# KiCad board motherboard.kicad_pcb
title: anyon e motherboard; date: 2024-10-23; rev: V1.0; company: Byran Huang; note: UNITS: MM, 1.0/0.1/0.01 grid size
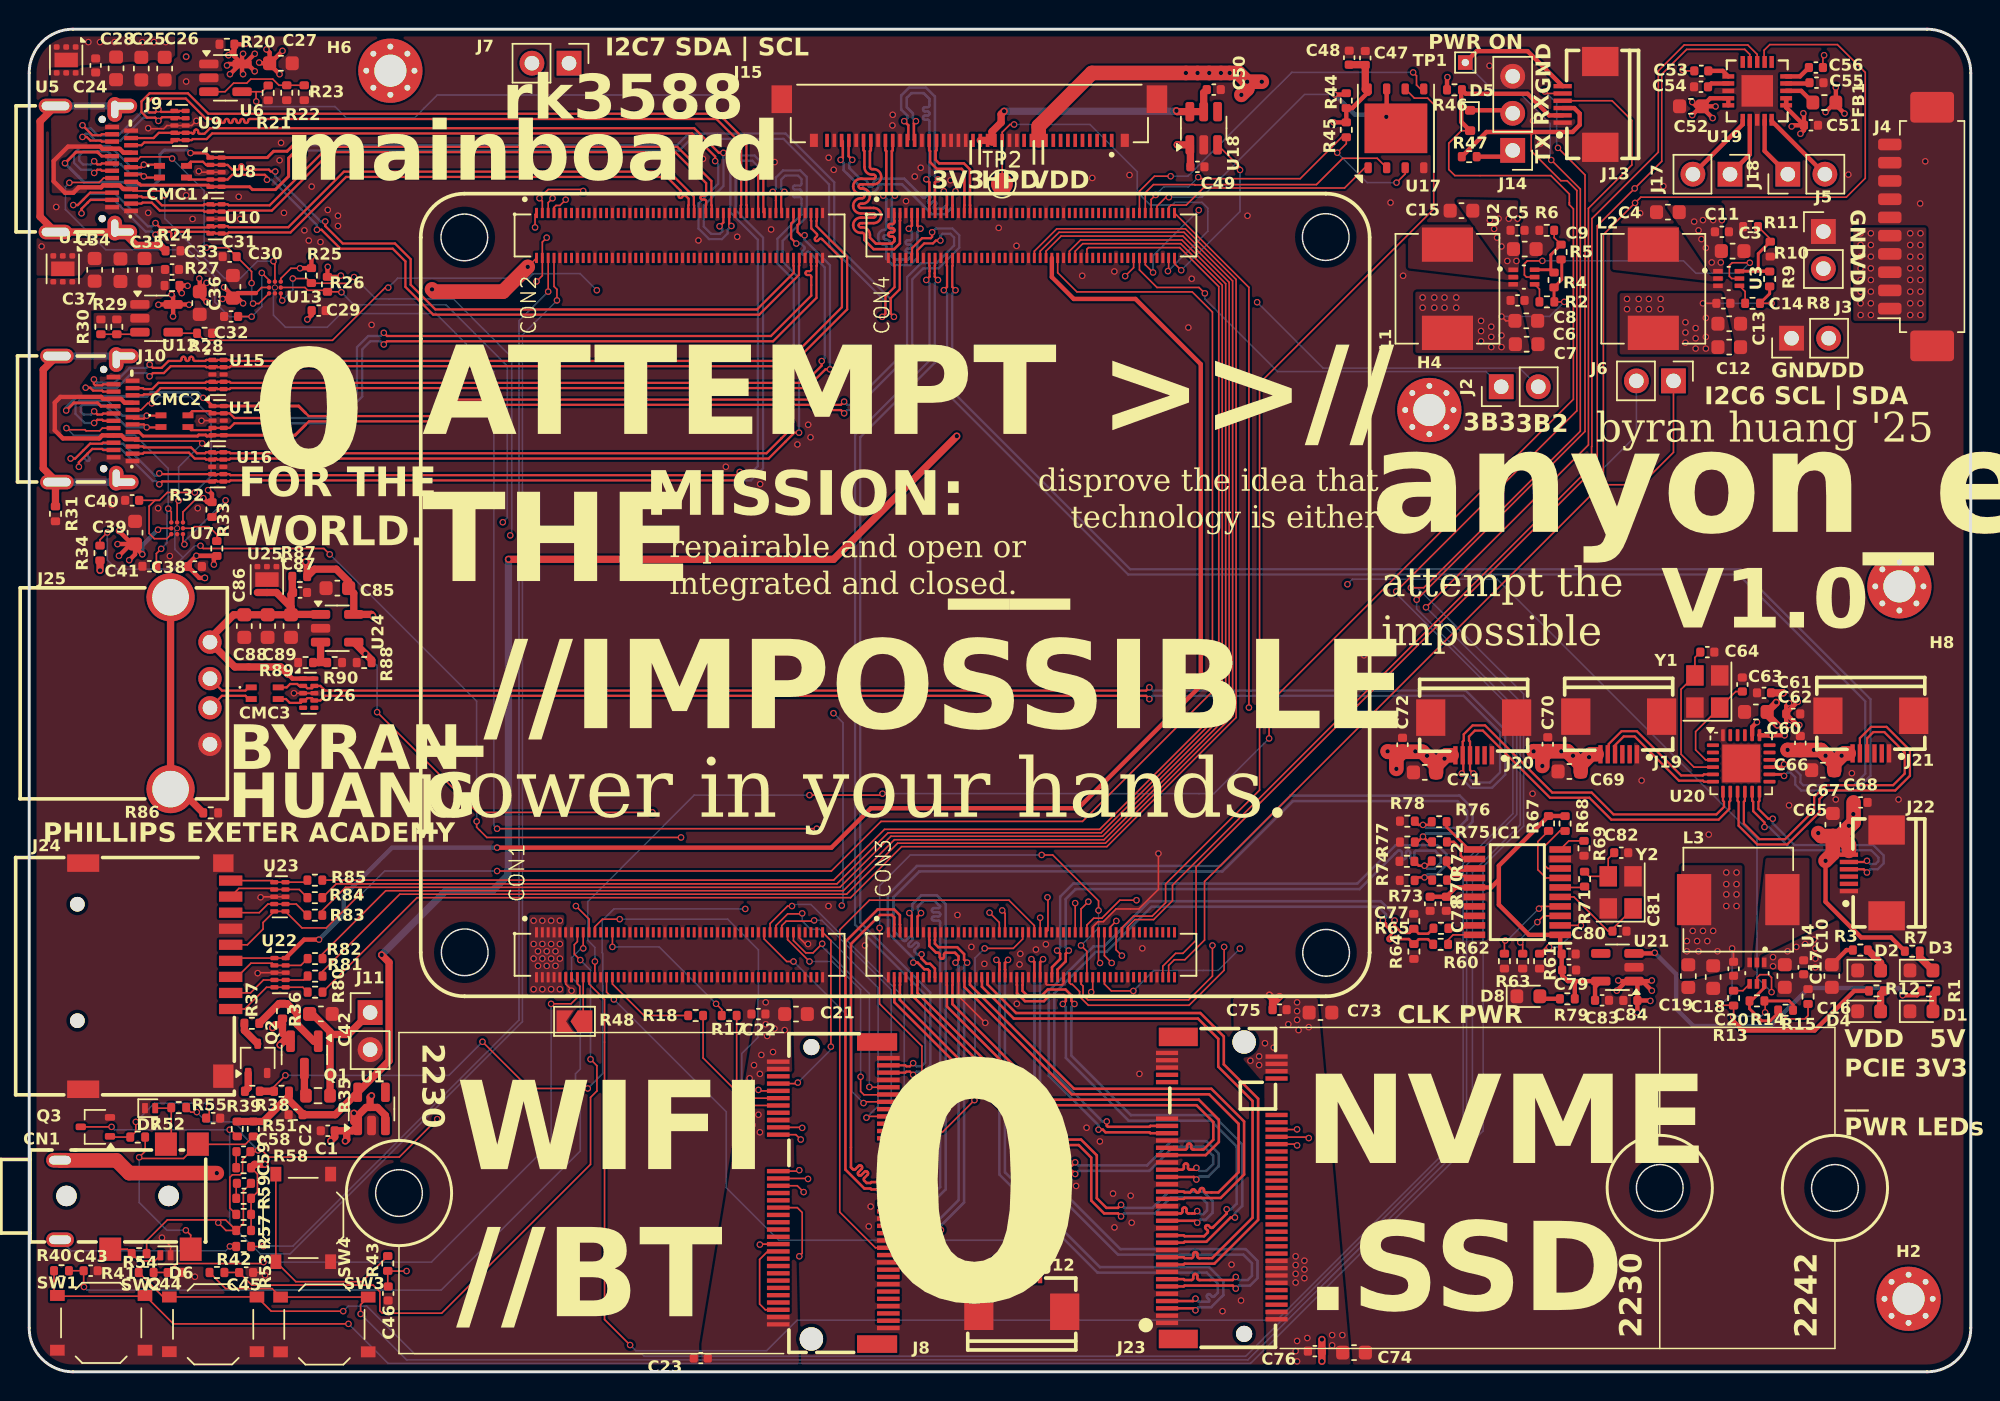
[diagram p0: board, top side]
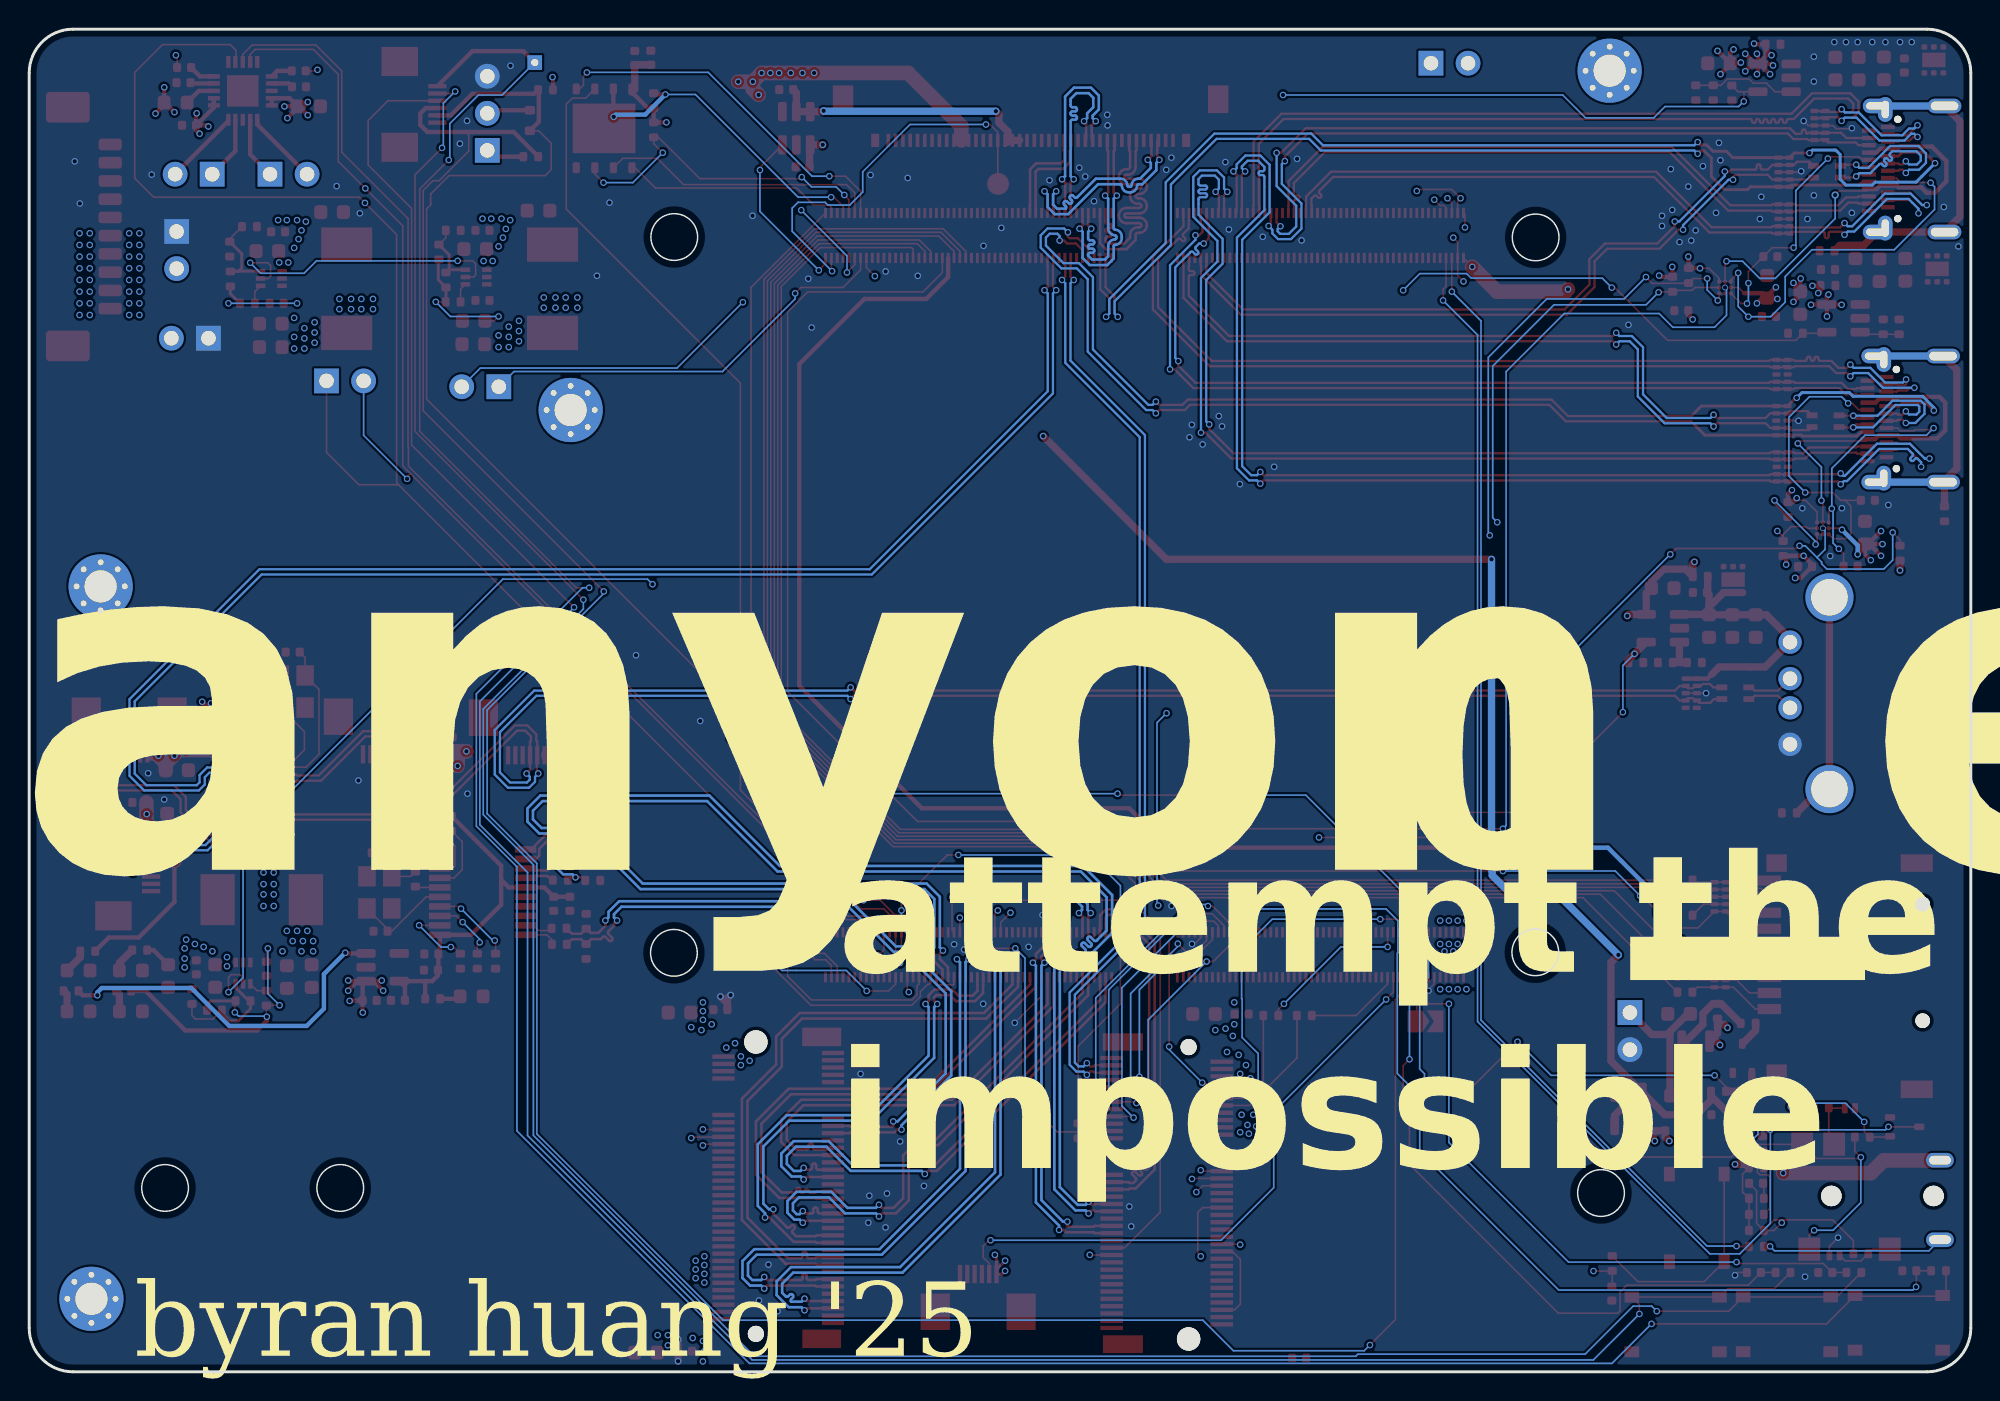
[diagram p1: board, bottom side, seen from below]

Outline 133 x 92 mm; copper layers: Top, In1.Cu, In2.Cu, In3.Cu, In4.Cu, Bottom. Coordinates in mm from the lower left corner of the outline.
Outline path: 0,89 arc(0.88,91.12) 3,92 130,92 arc(132.12,91.12) 133,89 133,3 arc(132.12,0.88) 130,0 3,0 arc(0.88,0.88) 0,3 0,89
Stack: Top 0.035mm / dielectric 0.1mm FR4 er 4.5 / In1.Cu 0.035mm / dielectric 0.535mm FR4 er 4.5 / In2.Cu 0.035mm / dielectric 0.1mm FR4 er 4.5 / In3.Cu 0.035mm / dielectric 0.535mm FR4 er 4.5 / In4.Cu 0.035mm / dielectric 0.1mm FR4 er 4.5 / Bottom 0.035mm

## Placement (name value [footprint] x y rotation side)
C1  1uF  [C_0402_1005Metric]  20.45 16.52 180 top
C2  1uF  [C_0402_1005Metric]  18.25 17.62 180 top
C3  10uF  [C_0603_1608Metric]  116.69 76.8 0 top
C4  10uF  [C_0603_1608Metric]  112.25 79.47 180 top
C5  100nF  [C_0402_1005Metric]  101.95 78.22 0 top
C6  22uF  [C_0603_1608Metric]  102.55 72.02 0 top
C7  22uF  [C_0603_1608Metric]  102.58 70.42 0 top
C8  100nF  [C_0402_1005Metric]  101.95 73.42 0 top
C9  10uF  [C_0603_1608Metric]  102.45 76.94 0 top
C10  10uF  [C_0603_1608Metric]  120.26 27.12 270 top
C11  100nF  [C_0402_1005Metric]  115.95 78.12 0 top
C12  22uF  [C_0603_1608Metric]  116.45 70.22 0 top
C13  22uF  [C_0603_1608Metric]  116.45 71.82 0 top
C14  100nF  [C_0402_1005Metric]  116.05 73.22 0 top
C15  10uF  [C_0603_1608Metric]  98.11 79.57 180 top
C16  10uF  [C_0603_1608Metric]  123.48 27.12 270 top
C17  100nF  [C_0402_1005Metric]  121.55 27.72 270 top
C18  22uF  [C_0603_1608Metric]  115.35 27.05 270 top
C19  22uF  [C_0603_1608Metric]  113.65 27.12 270 top
C20  100nF  [C_0402_1005Metric]  116.75 27.62 270 top
C21  22uF  [C_0603_1608Metric]  52.53 24.52 0 top
C22  1uF  [C_0402_1005Metric]  49.95 24.52 180 top
C23  0.1uF  [C_0402_1005Metric]  46 0.94 180 top
C24  100nF (+25V)  [C_0402_1005Metric]  4.55 89.52 90 top
C25  10uF (C913517)  [C_0603_1608Metric]  7.68 89.3 90 top
C26  10uF (C913517)  [C_0603_1608Metric]  9.28 89.3 90 top
C27  10uF  [C_0603_1608Metric]  17.24 89.67 0 top
C28  10uF  [C_0603_1608Metric]  5.95 89.32 90 top
C29  100nF  [C_0402_1005Metric]  19.83 72.72 0 top
C30  10uF  [C_0603_1608Metric]  13.95 74.35 90 top
C31  220pF  [C_0402_1005Metric]  13.73 76.42 180 top
C32  220pF  [C_0402_1005Metric]  13.83 72.32 180 top
C33  100nF (+25V)  [C_0402_1005Metric]  9.78 75.54 0 top
C34  10uF (C913517)  [C_0603_1608Metric]  6.25 75.49 90 top
C35  10uF (C913517)  [C_0603_1608Metric]  7.9 75.51 90 top
C36  10uF  [C_0603_1608Metric]  11.68 73.24 270 top
C37  10uF  [C_0603_1608Metric]  4.48 75.51 90 top
C38  100nF  [C_0402_1005Metric]  11.35 55.18 0 top
C39  10uF  [C_0603_1608Metric]  7.25 57.5 90 top
C40  220pF  [C_0402_1005Metric]  7.05 59.72 180 top
C41  220pF  [C_0402_1005Metric]  8.23 55.2 180 top
C42  10uF  [C_0603_1608Metric]  19.98 24.52 0 top
C43  1nF  [C_0402_1005Metric]  4.21 6.93 0 top
C44  1nF  [C_0402_1005Metric]  9.97 6.81 0 top
C45  1nF  [C_0402_1005Metric]  14.86 6.81 0 top
C46  1nF  [C_0402_1005Metric]  24.59 5.37 270 top
C47  0.1uF  [C_0402_1005Metric]  91.52 90.03 90 top
C48  1uF  [C_0402_1005Metric]  90.42 90.05 90 top
C49  1uF  [C_0402_1005Metric]  80.02 82.57 0 top
C50  1uF  [C_0402_1005Metric]  81.14 87.86 0 top
C51  0.1uF  [C_0402_1005Metric]  122.05 85.42 0 top
C52  10uF  [C_0603_1608Metric]  113.83 86.72 180 top
C53  1uF  [C_0402_1005Metric]  114.54 89.14 0 top
C54  1uF  [C_0402_1005Metric]  114.52 88.05 0 top
C55  1uF  [C_0402_1005Metric]  122.43 88.33 180 top
C56  1uF  [C_0402_1005Metric]  122.39 89.37 180 top
C57  1uF  [C_0402_1005Metric]  12.6 17.39 0 top
C58  0.1uF  [C_0402_1005Metric]  14.68 15.09 180 top
C59  0.1uF  [C_0402_1005Metric]  14.71 12.92 180 top
C60  10uF  [C_0603_1608Metric]  118.28 45.22 180 top
C61  0.1uF  [C_0402_1005Metric]  118.84 46.53 180 top
C62  1uF  [C_0402_1005Metric]  120.84 45.09 0 top
C63  15pF  [C_0402_1005Metric]  117.35 47.1 90 top
C64  15pF  [C_0402_1005Metric]  114.95 49.32 0 top
C65  10uF  [C_0603_1608Metric]  123.55 37.49 90 top
C66  0.1uF  [C_0402_1005Metric]  121.32 43.09 90 top
C67  10uF  [C_0603_1608Metric]  122.87 41.23 180 top
C68  0.1uF  [C_0402_1005Metric]  125.45 39.02 0 top
C69  10uF  [C_0603_1608Metric]  105.5 41.14 180 top
C70  0.1uF  [C_0402_1005Metric]  104.02 43.01 90 top
C71  10uF  [C_0603_1608Metric]  95.6 41.08 180 top
C72  0.1uF  [C_0402_1005Metric]  94.07 42.97 90 top
C73  22uF  [C_0603_1608Metric]  88.45 24.62 0 top
C74  22uF  [C_0603_1608Metric]  90.75 1.32 0 top
C75  1uF  [C_0402_1005Metric]  85.65 24.82 180 top
C76  0.1uF  [C_0402_1005Metric]  88.07 1.42 0 top
C77  1uF  [C_0402_1005Metric]  95.96 32.07 270 top
C78  100nF  [C_0402_1005Metric]  97.07 32.07 270 top
C79  1uF  [C_0402_1005Metric]  105.48 27.53 0 top
C80  100nF  [C_0402_1005Metric]  105.45 28.63 0 top
C81  15pF  [C_0402_1005Metric]  108.93 30.19 0 top
C82  15pF  [C_0402_1005Metric]  109.05 35.57 0 top
C83  1uF  [C_0402_1005Metric]  107.74 25.46 0 top
C84  1uF  [C_0402_1005Metric]  109.68 25.45 180 top
C85  10uF  [C_0603_1608Metric]  21.11 53.7 180 top
C86  10uF  [C_0603_1608Metric]  14.73 51.1 270 top
C87  100nF (+25V)  [C_0402_1005Metric]  18.55 53.4 0 top
C88  10uF (C913517)  [C_0603_1608Metric]  16.33 51.1 270 top
C89  10uF (C913517)  [C_0603_1608Metric]  17.93 51.1 270 top
CMC1  ACM2012  [FIL_ACM2012-900-2P-T001]  9.85 82.23 0 top
CMC2  ACM2012  [FIL_ACM2012-900-2P-T001]  9.95 65.14 0 top
CMC3  ACM2012  [FIL_ACM2012-900-2P-T001]  16.13 46.5 0 top
CN1  PJ-332A-6A (3.5mm Jack)  [AUDIO-SMD_PJ-332A-6A]  6.83 12 0 top
D1  +3.3V LED  [LED_0603_1608Metric]  129.62 24.7 0 top
D2  VDD LED  [LED_0603_1608Metric]  126.03 27.5 0 top
D3  +5V LED  [LED_0603_1608Metric]  129.62 27.5 0 top
D4  PCIE LED  [LED_0603_1608Metric]  126.03 24.7 0 top
D5  LRB521S-30T1G  [D_SOD-523]  98.7 85.74 270 top
D6  LESD8D5.0CB1T5G  [D_SOD-882]  9.33 7.99 180 top
D7  LESD8D5.0CB1T5G  [D_SOD-882]  8.28 18.07 0 top
D8  PI6C LED  [LED_0603_1608Metric]  102.69 25.73 0 top
FB1  GZ1608D601TF  [L_0603_1608Metric]  122.97 86.97 180 top
H1  Hirose  [Blank]  43.51 78.18 0 top
H2  M2  [MountingHole_2.2mm_M2_Pad_Via]  128.74 5 0 top
H3  Hirose  [Blank]  67.3 78.3 0 top
H4  M2  [MountingHole_2.2mm_M2_Pad_Via]  95.91 65.91 0 top
H5  Hirose  [Blank]  68.62 28.97 0 top
H6  M2  [MountingHole_2.2mm_M2_Pad_Via]  24.74 89.16 0 top
H7  Hirose  [Blank]  44.42 28.7 0 top
H8  M2  [MountingHole_2.2mm_M2_Pad_Via]  128.11 53.82 0 top
IC1  PI6C557-05BLE  [SOP65P640X120-20N]  101.94 32.87 180 top
J1  CM3588 Hirose Connector  [CM3588]  56.6 53 90 top
J2  EXT GPIO  [PinHeader_1x02_P2.54mm_Vertical]  100.83 67.5 90 top
J3  VDD EXT  [PinHeader_1x02_P2.54mm_Vertical]  120.72 70.83 90 top
J4  BATTERY IN  [Molex_PicoBlade_53261-1071_1x10-1MP_P1.25mm_Horizontal]  129.85 78.48 90 top
J5  VDD EXT 2  [PinHeader_1x02_P2.54mm_Vertical]  122.9 78.14 0 top
J6  EXT GPIO  [PinHeader_1x02_P2.54mm_Vertical]  112.63 67.9 270 top
J7  EXT GPIO  [PinHeader_1x02_P2.54mm_Vertical]  36.98 89.67 270 top
J8  Bus_M.2_Socket_E  [CONN-SMD_APCI0147-P001A]  55.08 12.25 270 top
J9  Outer USB-C  [USB-C-SMD_TYPE-C-24P-QT]  4.39 82.42 270 top
J10  USB_C_Receptacle  [USB-C-SMD_TYPE-C-24P-QT]  4.49 65.29 270 top
J11  5V FAN  [PinHeader_1x02_P2.54mm_Vertical]  23.35 24.62 0 top
J12  HALL SWITCH  [FPC-SMD_6P-P0.50_XUNPU_FPC-05F-6PH20]  67.99 5.41 0 top
J13  SYSTEM  [FPC-SMD_6P-P0.50_XUNPU_FPC-05F-6PH20]  106.33 86.85 90 top
J14  DEBUG UART  [PinHeader_1x03_P2.54mm_Vertical]  101.62 83.7 180 top
J15  20455-040E-76 OLED IPEX  [IPEX_20455-040E-76]  64.4 86.3 180 top
J17  LEFT SPEAKERS  [PinHeader_1x02_P2.54mm_Vertical]  116.5 82.06 270 top
J18  RIGHT SPEAKERS  [PinHeader_1x02_P2.54mm_Vertical]  120.46 82.06 90 top
J19  USB  [FPC-SMD_6P-P0.50_XUNPU_FPC-05F-6PH20]  108.88 43.61 180 top
J20  USB  [FPC-SMD_6P-P0.50_XUNPU_FPC-05F-6PH20]  98.95 43.54 180 top
J21  USB  [FPC-SMD_6P-P0.50_XUNPU_FPC-05F-6PH20]  126.15 43.67 180 top
J22  USB  [FPC-SMD_6P-P0.50_XUNPU_FPC-05F-6PH20]  125.94 34.19 90 top
J23  Bus_M.2_Socket_M  [CONN-SMD_AS0BC21-S30BM-7H]  81.69 12.6 90 top
J24  Micro_SD_Card_Det1  [TF-SMD_TF-CARD-H1.8]  8.75 27.11 270 top
J25  USB-231-ARY  [USB-A-TH_USB-231-ARY]  11.03 46.5 270 top
L1  MWSA0603S-3R3MT  [L_Sunlord_MWSA0603S]  97.15 74.22 270 top
L2  FXL0630-4R7-M  [L_Sunlord_MWSA0603S]  111.25 74.22 270 top
L3  MWSA0603S-3R3MT  [L_Sunlord_MWSA0603S]  117.07 32.36 180 top
Q1  AO3415A  [SOT-23]  18.85 21.72 270 top
Q2  2SK3018W  [SOT-323_SC-70]  15.65 21.48 90 top
Q3  2SK3018W  [SOT-323_SC-70]  4.53 16.79 180 top
R1  10k  [R_0402_1005Metric]  130.13 26.1 180 top
R2  10k  [R_0402_1005Metric]  103.96 73.32 0 top
R3  33k  [R_0402_1005Metric]  125.43 28.9 180 top
R4  49.9k  [R_0402_1005Metric]  104.45 74.82 270 top
R5  510k  [R_0402_1005Metric]  104.93 76.73 270 top
R6  10k  [R_0402_1005Metric]  103.95 78.22 0 top
R7  10k  [R_0402_1005Metric]  128.99 28.82 180 top
R8  10k  [R_0402_1005Metric]  118.05 73.22 0 top
R9  220k  [R_0402_1005Metric]  119.22 74.89 270 top
R10  330k  [R_0402_1005Metric]  119.26 76.93 90 top
R11  33k  [R_0402_1005Metric]  117.91 78.47 0 top
R12  10k  [R_0402_1005Metric]  126.53 26.1 180 top
R13  10k  [R_0402_1005Metric]  116.75 25.61 270 top
R14  49.9k  [R_0402_1005Metric]  118.35 25.42 0 top
R15  510k  [R_0402_1005Metric]  120.31 24.78 0 top
R16  10k  [R_0402_1005Metric]  121.85 25.72 270 top
R17  0R  [R_0402_1005Metric]  47.95 24.42 180 top
R18  0R  [R_0402_1005Metric]  45.65 24.42 180 top
R19  2.2k  [R_0402_1005Metric]  61.15 16.52 270 top
R20  0R  [R_0402_1005Metric]  13.54 90.97 180 top  (not fitted)
R21  100k  [R_0402_1005Metric]  16.37 87.64 270 top
R22  6.8k  [R_0402_1005Metric]  17.64 87.65 270 top
R23  6.8k  [R_0402_1005Metric]  18.84 87.65 270 top
R24  1M  [R_0402_1005Metric]  9.85 76.82 0 top
R25  2.2k  [R_0402_1005Metric]  19.33 75.12 270 top
R26  2.2k  [R_0402_1005Metric]  20.43 74.52 270 top
R27  0R  [R_0402_1005Metric]  9.78 74.44 180 top  (not fitted)
R28  100k  [R_0402_1005Metric]  12.01 71.17 0 top
R29  6.8k  [R_0402_1005Metric]  6 71.61 90 top
R30  6.8k  [R_0402_1005Metric]  4.91 71.61 90 top
R31  1M  [R_0402_1005Metric]  1.8 58.79 270 top
R32  2.2k  [R_0402_1005Metric]  12.52 59.08 270 top
R33  2.2k  [R_0402_1005Metric]  12.85 56.42 90 top
R34  10k  [R_0402_1005Metric]  4.85 56.11 90 top
R35  2.2R  [R_0603_1608Metric]  19.78 18.92 0 top
R36  470R  [R_0402_1005Metric]  17.35 24.72 90 top
R37  1k  [R_0402_1005Metric]  15.25 23.88 180 top
R38  10k  [R_0402_1005Metric]  17.28 19.22 180 top
R39  100R  [R_0402_1005Metric]  15.28 19.22 180 top
R40  100R  [R_0402_1005Metric]  2.21 6.93 180 top
R41  100R  [R_0402_1005Metric]  8.01 6.81 180 top
R42  100R  [R_0402_1005Metric]  12.86 6.81 180 top
R43  100R  [R_0402_1005Metric]  24.56 7.43 90 top
R44  10k  [R_0402_1005Metric]  90.22 87.11 90 top
R45  10k  [R_0402_1005Metric]  90.22 85.11 270 top
R46  10k  [R_0402_1005Metric]  97.63 87.85 180 top
R47  33R  [R_0402_1005Metric]  98.64 83.27 0 top
R48  0R  [SolderJumper-2_P1.3mm_Open_TrianglePad1.0x1.5mm]  37.35 24.02 180 top
R50  2.2k  [R_0402_1005Metric]  14.25 16.64 90 top
R51  100k  [R_0402_1005Metric]  15.35 16.64 90 top
R52  10k  [R_0402_1005Metric]  7.43 16.09 0 top
R53  0R  [R_0402_1005Metric]  14.69 8.59 0 top
R54  0R  [R_0402_1005Metric]  7.53 8.1 0 top
R55  0R  [R_0402_1005Metric]  10.24 18.11 0 top
R56  10k  [R_0402_1005Metric]  14.69 10.79 180 top
R57  10k  [R_0402_1005Metric]  14.69 9.69 180 top
R58  33R  [R_0402_1005Metric]  14.69 13.99 180 top
R59  33R  [R_0402_1005Metric]  14.69 11.89 180 top
R60  33R  [R_0402_1005Metric]  96.68 29.29 180 top
R61  0R  [R_0402_1005Metric]  103.46 28.14 90 top  (not fitted)
R62  33R  [R_0402_1005Metric]  96.7 30.39 180 top
R63  0R  [R_0402_1005Metric]  102.3 28.14 90 top  (not fitted)
R64  49.9R  [R_0402_1005Metric]  94.85 28.8 90 top
R65  49.9R  [R_0402_1005Metric]  94.84 30.87 270 top
R66  4.7k  [R_0402_1005Metric]  101.05 28.14 90 top
R67  10k  [R_0402_1005Metric]  104.08 37.58 270 top
R68  10k  [R_0402_1005Metric]  105.21 37.57 270 top
R69  470R  [R_0402_1005Metric]  106.5 35.87 90 top
R70  33R  [R_0402_1005Metric]  96.61 33.69 180 top
R71  100R  [R_0402_1005Metric]  106.54 33.76 90 top
R72  33R  [R_0402_1005Metric]  96.58 35 180 top
R73  49.9R  [R_0402_1005Metric]  94.39 33.67 0 top
R74  49.9R  [R_0402_1005Metric]  94.37 34.98 0 top
R75  33R  [R_0402_1005Metric]  96.6 36.31 180 top
R76  33R  [R_0402_1005Metric]  96.58 37.69 180 top
R77  49.9R  [R_0402_1005Metric]  94.4 36.3 0 top
R78  49.9R  [R_0402_1005Metric]  94.4 37.73 0 top
R79  33k  [R_0402_1005Metric]  105.36 25.56 0 top
R80  33R  [R_0402_1005Metric]  19.58 26.02 180 top
R81  33R  [R_0402_1005Metric]  19.58 27.12 180 top
R82  33R  [R_0402_1005Metric]  19.58 28.32 180 top
R83  33R  [R_0402_1005Metric]  19.57 31.29 180 top
R84  33R  [R_0402_1005Metric]  19.57 32.49 180 top
R85  33R  [R_0402_1005Metric]  19.57 33.69 180 top
R86  1M  [R_0402_1005Metric]  12.43 38.3 0 top
R87  0R  [R_0402_1005Metric]  18.53 54.5 180 top  (not fitted)
R88  100k  [R_0402_1005Metric]  22.94 48.6 180 top
R89  6.8k  [R_0402_1005Metric]  18.93 48.6 180 top
R90  6.8k  [R_0402_1005Metric]  20.92 48.6 0 top
SW1  PWR  [SW_Push_1P1T_XKB_TS-1187A]  4.93 3.36 0 top
SW2  RESET  [SW_Push_1P1T_XKB_TS-1187A]  12.6 3.26 0 top
SW3  MASK  [SW_Push_1P1T_XKB_TS-1187A]  20.22 3.25 0 top
SW4  RECOVERY  [SW_Push_1P1T_XKB_TS-1187A]  18.77 10.55 90 top
TP1  PWRON  [TestPoint_THTPad_1.0x1.0mm_Drill0.5mm]  98.37 89.72 0 top
TP2  HPD  [TestPoint_Pad_D1.5mm]  66.63 81.4 0 top
U1  RT9193-18GB  [SOT-23-5]  23.45 18.02 90 top
U2  TPS564257DRLR  [SOT50P160X60-6N]  102.39 75.02 0 top
U3  TPS564257DRLR  [SOT50P160X60-6N]  116.42 74.92 0 top
U4  TPS564257DRLR  [SOT50P160X60-6N]  118.35 27.32 270 top
U5  TVS2200DRV  [WSON-6-1EP_2x2mm_P0.65mm_EP1x1.6mm]  2.53 89.89 270 top
U6  SY6280AAC  [SOT-23-5]  13.44 88.67 0 top
U7  FUSB302BUCX  [WLCSP9_1P2X1P2_ONS]  10.13 57.8 0 top
U8  TPD4E02B04  [USON-10_2.5x1.0mm_P0.5mm]  12.8 82.2 0 top
U9  TPD4E02B04  [USON-10_2.5x1.0mm_P0.5mm]  10.33 85.4 0 top
U10  TPD4E02B04  [USON-10_2.5x1.0mm_P0.5mm]  12.8 79 0 top
U11  TVS2200DRV  [WSON-6-1EP_2x2mm_P0.65mm_EP1x1.6mm]  2.3 75.58 270 top
U12  SY6280AAC  [SOT-23-5]  8.72 72.19 0 top
U13  FUSB302BUCX  [WLCSP9_1P2X1P2_ONS]  16.83 74.3 0 top
U14  TPD4E02B04  [USON-10_2.5x1.0mm_P0.5mm]  12.94 65.18 0 top
U15  TPD4E02B04  [USON-10_2.5x1.0mm_P0.5mm]  12.93 68.34 0 top
U16  TPD4E02B04  [USON-10_2.5x1.0mm_P0.5mm]  12.91 62.01 0 top
U17  SPI Flash  [WSON-8-1EP_6x5mm_P1.27mm_EP3.4x4.3mm]  93.62 85.21 90 top
U18  TPS22917DBV  [SOT-23-6]  80.45 85.21 90 top
U19  TPA2016D2RTJR  [QFN50P400X400X80-21N]  118.37 87.77 0 top
U20  CH334F  [QFN-24-1EP_4x4mm_P0.5mm_EP2.6x2.6mm]  117.27 41.69 0 top
U21  AP2127K-3.3  [SOT-23-5]  108.79 27.72 180 top
U22  TPD4E02B04  [USON-10_2.5x1.0mm_P0.5mm]  17.18 27.35 0 top
U23  TPD4E02B04  [USON-10_2.5x1.0mm_P0.5mm]  17.17 32.55 0 top
U24  SY6280AAC  [SOT-23-5]  21.1 50.95 0 top
U25  TVS2200DRV  [WSON-6-1EP_2x2mm_P0.65mm_EP1x1.6mm]  16.28 54.29 270 top
U26  TPD4E02B04  [USON-10_2.5x1.0mm_P0.5mm]  19.15 46.5 0 top
Y1  12MHz  [Crystal_SMD_3225-4Pin_3.2x2.5mm]  114.95 46.62 90 top
Y2  25MHz  [Crystal_SMD_3225-4Pin_3.2x2.5mm]  109.01 32.85 90 top

## Library data of the parts
C1 C2 = -: Description: Unpolarized capacitor, small symbol; LCSC: C52923; ki_fp_filters: C_*
C3 C4 C9 C10 C15 C16 C25 C26 C34 C35 C88 C89 = -: Description: Unpolarized capacitor, small symbol; LCSC: C913517; ki_fp_filters: C_*
C5 C8 C11 C14 C17 C20 C23 C47 C51 C58 C59 C61 C66 C68 C70 C72 C76 = -: Description: Unpolarized capacitor, small symbol; LCSC: C307331; ki_fp_filters: C_*
C6 C7 C12 C13 C18 C19 = -: Description: Unpolarized capacitor, small symbol; LCSC: C162690; ki_fp_filters: C_*
C21 C22 C24 C27-C33 C36-C46 C48-C50 C52-C57 C60 C62-C65 C67 C69 C71 C73-C75 C77-C87 = -: Description: Unpolarized capacitor, small symbol; ki_fp_filters: C_*
CMC1-CMC3 = -: Datasheet: https://product.tdk.com/en/system/files?file=dam/doc/product/emc/emc/cmf_cmc/catalog/cmf_commercial_signal_acm2012_en.pdf; Description: 2 Line Common Mode Choke Surface Mount 90 Ohms @ 100 MHz 400mA DCR 190mOhm
CN1 = -: LCSC Part: C2848643
D1 = -: Description: Light emitting diode, small symbol; LCSC: C72038; ki_fp_filters: LED* LED_SMD:* LED_THT:*
D2-D4 D8 = -: Description: Light emitting diode, small symbol; ki_fp_filters: LED* LED_SMD:* LED_THT:*
D5 = -: Description: Diode, small symbol; Sim.Device: D; Sim.Pins: 1=K 2=A; ki_fp_filters: TO-???* *_Diode_* *SingleDiode* D_*
D6 D7 = -: Description: Bidirectional transient-voltage-suppression diode, small symbol, filled shape; ki_fp_filters: TO-???* *_Diode_* *SingleDiode* D_*
FB1 = -: Description: Ferrite bead, small symbol; ki_fp_filters: Inductor_* L_* *Ferrite*
H1-H8 = -: Description: Mounting Hole without connection; ki_fp_filters: MountingHole*
IC1 = -: Datasheet: https://www.diodes.com//assets/Datasheets/PI6C557-05B.pdf; Description: Clock Generators & Support Products PCI express Gen 2 4 output clock gen; Height: 1.2; Mouser Part Number: 729-PI6C557-05BLE; Mouser Price/Stock: https://www.mouser.co.uk/ProductDetail/Diodes-Incorporated/PI6C557-05BLE?qs=DhjuHb%2FCp74BJNSc42C3zA%3D%3D; Manufacturer_Name: Diodes Incorporated
J1 = -: LCSC: C597931
J2 J3 J5-J7 J11 J17 J18 = -: Description: Generic connector, single row, 01x02, script generated (kicad-library-utils/schlib/autogen/connector/); ki_fp_filters: Connector*:*_1x??_*
J4 = -: Description: Generic connectable mounting pin connector, single row, 01x10, script generated (kicad-library-utils/schlib/autogen/connector/); LCSC: C564042; ki_fp_filters: Connector*:*_1x??-1MP*
J8 = -: Datasheet: http://read.pudn.com/downloads794/doc/project/3133918/PCIe_M.2_Electromechanical_Spec_Rev1.0_Final_11012013_RS_Clean.pdf#page=150; Description: M.2 Socket 1-SD Mechanical Key E; ki_fp_filters: *M*2*E*
J9 J10 = -: Datasheet: https://www.usb.org/sites/default/files/documents/usb_type-c.zip; Description: USB Full-Featured Type-C Receptacle connector; ki_fp_filters: USB*C*Receptacle*
J12 J13 J19-J22 = -: Description: Generic connectable mounting pin connector, single row, 01x06, script generated (kicad-library-utils/schlib/autogen/connector/); ki_fp_filters: Connector*:*_1x??-1MP*
J14 = -: Description: Generic connector, single row, 01x03, script generated (kicad-library-utils/schlib/autogen/connector/); ki_fp_filters: Connector*:*_1x??_*
J15 = -: MF: I-PEX; Description_1: 40 POS Right Angle SMD 0.5 mm pitch, Horizontal mating type Micro-coaxial and FPC connector with mechanical lock (VESA standard connector) CABLINE-VS Receptacle; Package: None; Price: None; Check_prices: https://www.snapeda.com/parts/20455-040E-76/I-PEX/view-part/?ref=eda; STANDARD: Manufacturer Recommendations; SnapEDA_Link: https://www.snapeda.com/parts/20455-040E-76/I-PEX/view-part/?ref=snap; MP: 20455-040E-76; Availability: In Stock; MANUFACTURER: I-PEX
J23 = -: Datasheet: http://read.pudn.com/downloads794/doc/project/3133918/PCIe_M.2_Electromechanical_Spec_Rev1.0_Final_11012013_RS_Clean.pdf#page=155; Description: M.2 Socket 3 Mechanical Key M; ki_fp_filters: *M*2*M*
J24 = -: Datasheet: https://datasheet.lcsc.com/lcsc/2110151630_XKB-Connectivity-XKTF-015-N_C381082.pdf; Description: Micro SD Card Socket with one card detection pin; ki_fp_filters: microSD*
J25 = -: Description: USB Type A connector; ki_fp_filters: USB*
L1 L3 = -: Description: Inductor, small symbol; LCSC: C408446; ki_fp_filters: Choke_* *Coil* Inductor_* L_*
L2 = -: Description: Inductor, small symbol; LCSC: C167220; ki_fp_filters: Choke_* *Coil* Inductor_* L_*
Q1 = -: Description: P-MOSFET transistor, gate/source/drain
Q2 Q3 = -: Datasheet: https://www.infineon.com/dgdl/Infineon-BSS214NW-DS-v02_02-en.pdf?fileId=db3a30431b3e89eb011b695aebc01bde; Description: 20V Vds, 1.5A Id, N-Channel MOSFET, SOT-323; ki_fp_filters: SOT?323*
R1 R2 R6-R8 R12 R13 R16 R79 = -: Description: Resistor, small symbol; LCSC: C25744; ki_fp_filters: R_*